# Altium PCB GD2.PcbDoc (part 1 of 2) (continued)
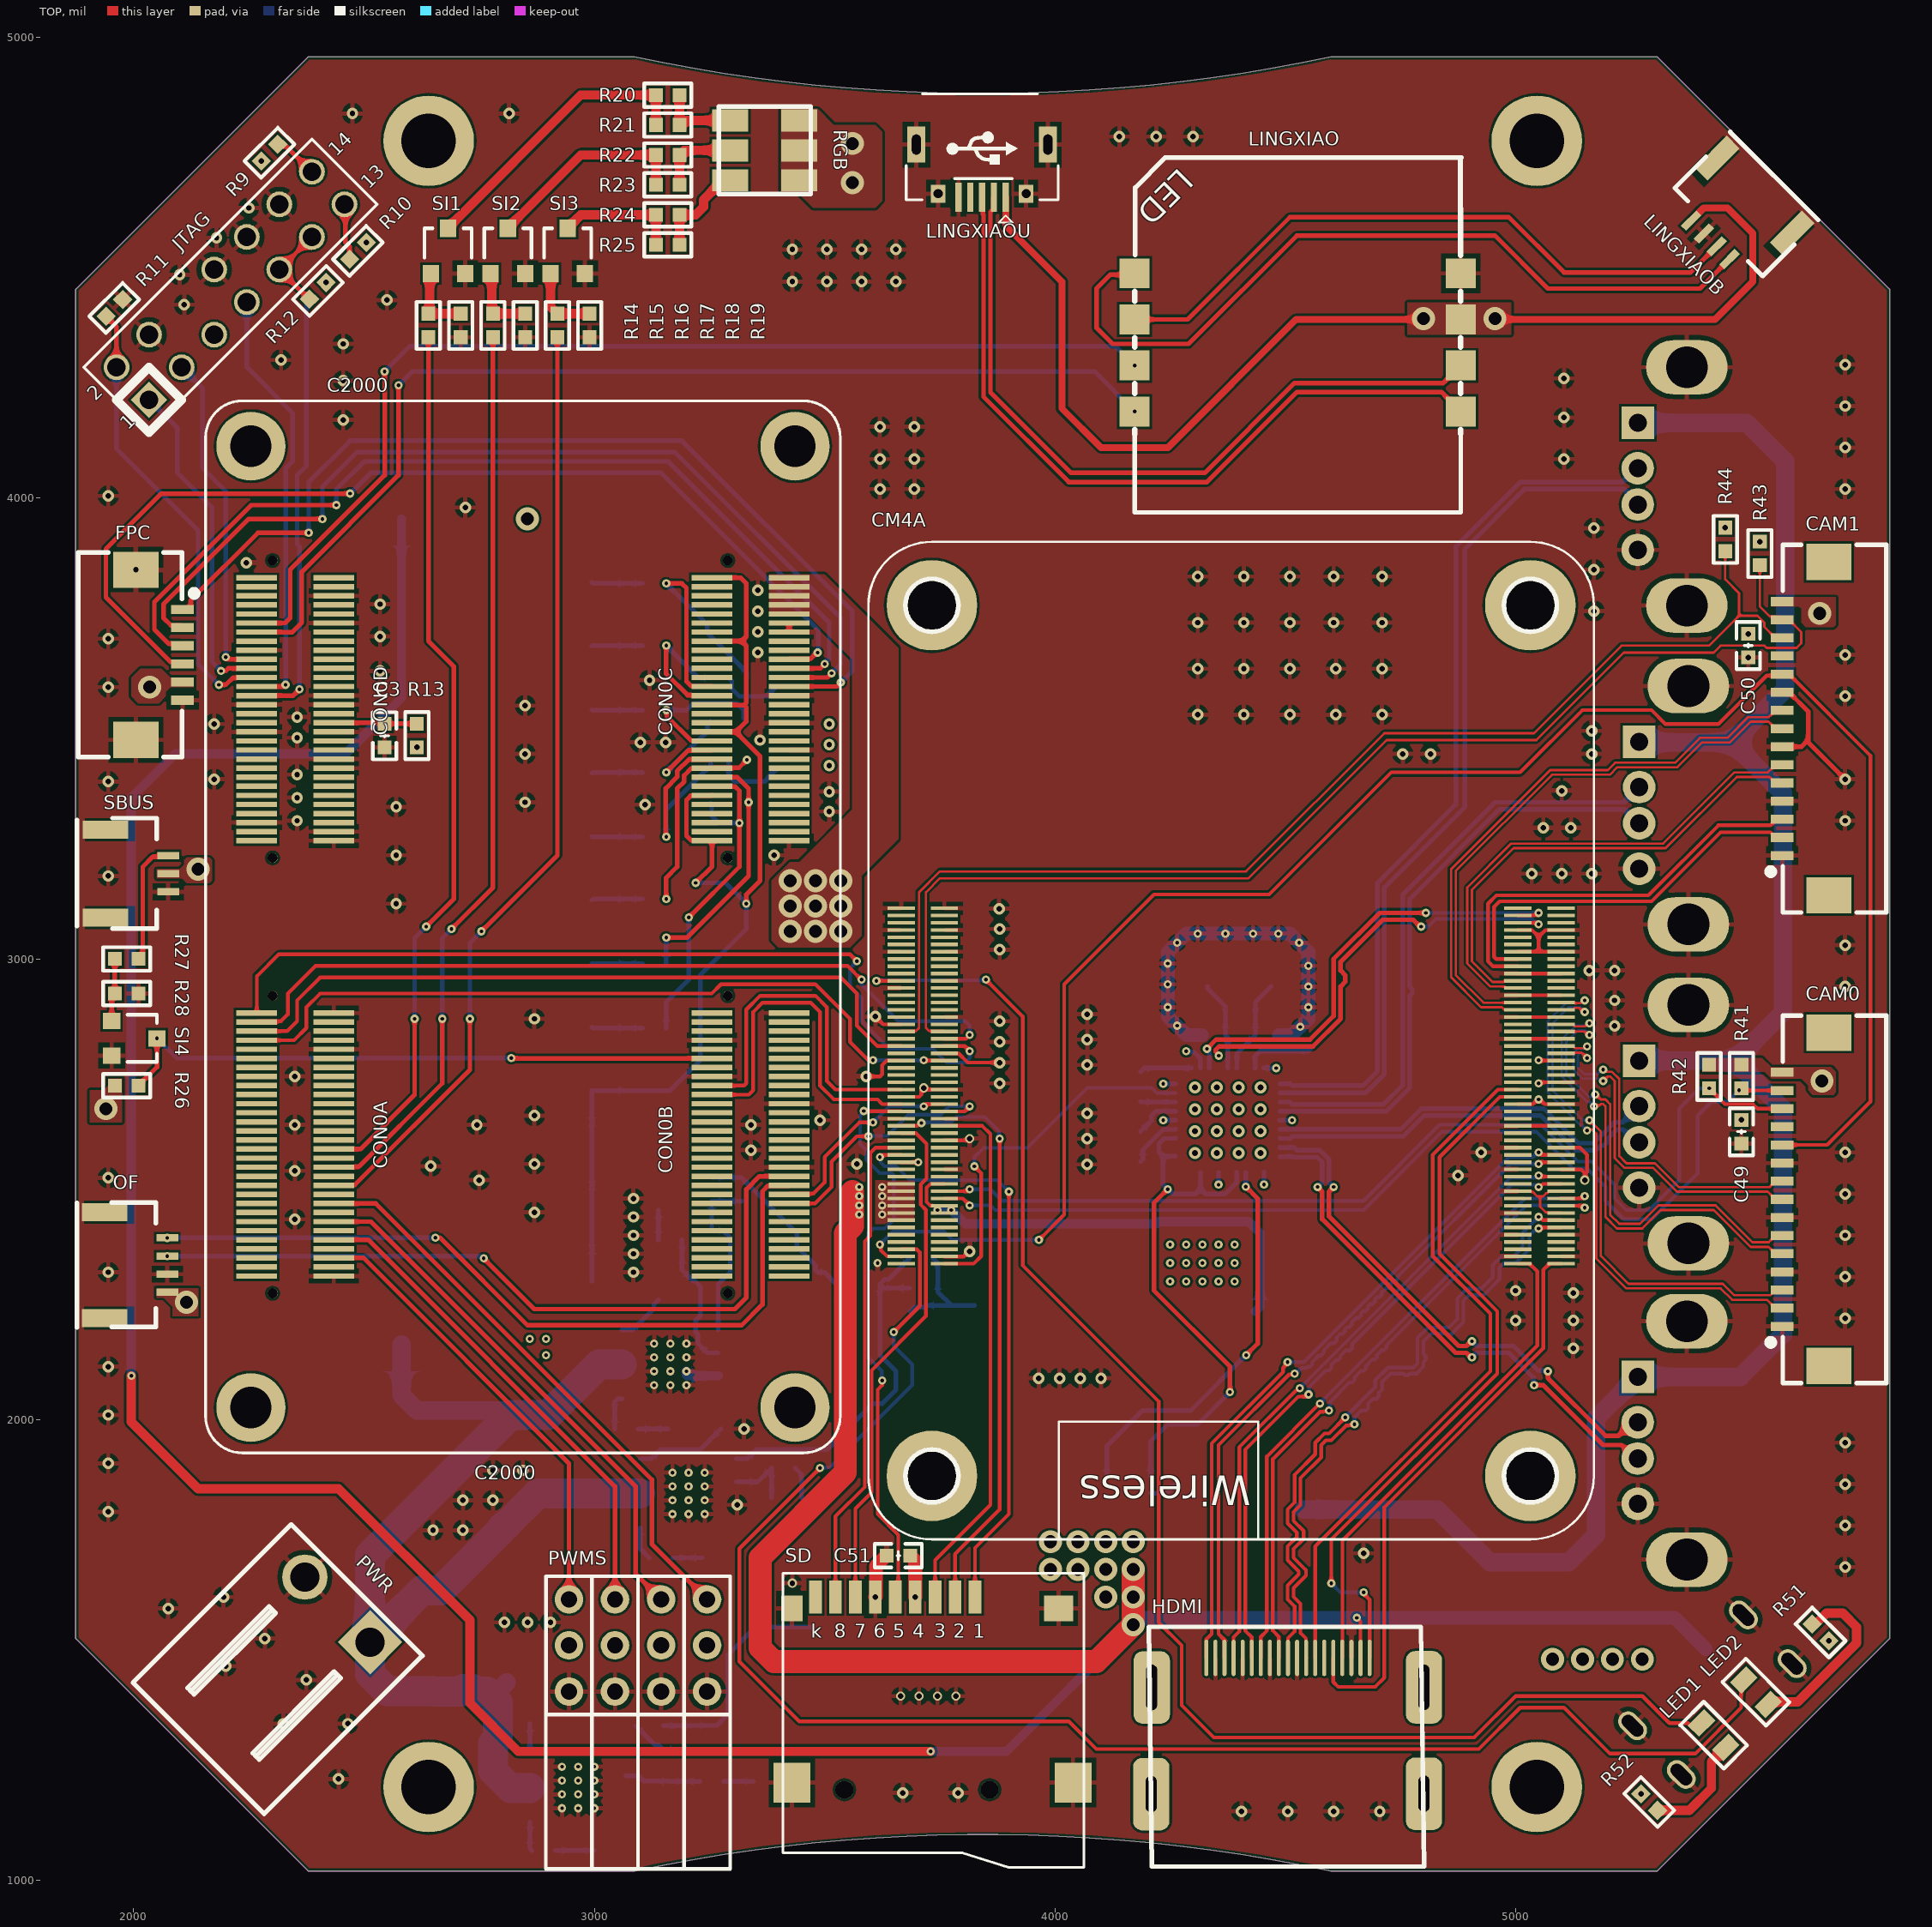
[diagram p0: TOP view]
## Components (designator, comment, footprint, x,y, rotation, side; value= is the part's Value field where it differs from the comment) (continued)
JTAG "JTAG" JTAG 2206.82,4459.65 r45 top locked
L1 "SRN6045TA-3R3Y" CD42 3465,2250 r0 bottom locked
L2 "SRN6045TA-3R3Y" CD42 3470,1485 r90 bottom locked
L3 "SRN6045TA-3R3Y" CD42 3825,2183.98 r90 bottom locked
LED1 "" R0805_L 5430,1315 r135 top locked
LED2 "" R0805_L 5521.45,1408.55 r315 top locked
LINGXIAO "LINGXIAO" LINGXIAO 4515,4345 r180 top locked
LINGXIAOB "GH4P" GH4P 5484.52,4630.48 r315 top locked
LINGXIAOU "USB" USB 3845,4755 r90 top locked
OF "GH4P" GH4P 1980,2330 r90 top locked
PSU1 "AP64501SP-13" SOIP-8 3164.61,2120 r0 bottom locked
PSU2 "AP64501SP-13" SOIP-8 2964.61,1201.69 r0 bottom locked
PSU3 "AP64501SP-13" SOIP-8 3204.41,1840 r0 bottom locked
PWMS "PWM4P" PWM4P 3095,1365 r0 top locked
PWR "HDR-1X2" KF2EDGK5.08-WI-2P 2442.5,1587.5 r135 top locked
R1 "100K" R0603_L 3130.59,3815 r180 bottom locked
R2 "100K" R0603_L 3130.59,3680 r180 bottom locked
R3 "100K" R0603_L 3130.59,3540 r180 bottom locked
R4 "100K" R0603_L 3130.59,3405 r180 bottom locked
R5 "100K" R0603_L 3130.59,3265 r180 bottom locked
R6 "100K" R0603_L 3130.59,3130 r180 bottom locked
R7 "100K" R0603_L 3130.59,2990 r180 bottom locked
R8 "100K" R0603_L 3130.59,2850 r180 bottom locked
R9 "4.7K" R0603_L 2295,4750 r45 top locked
R10 "4.7K" R0603_L 2486.9,4536.9 r225 top locked
R11 "2.2k" R0603_L 1958.1,4413.09 r225 top locked
R12 "2.2k" R0603_L 2400,4450 r225 top locked
R13 "4.7K" R0603_L 2615,3485 r270 top locked
R14 "1K" R0603_L 2640,4375 r270 top locked
R15 "10K" R0603_L 2710,4375 r90 top locked
R16 "1K" R0603_L 2780,4375 r270 top locked
R17 "10K" R0603_L 2850,4375 r90 top locked
R18 "1K" R0603_L 2920,4375 r270 top locked
R19 "10K" R0603_L 2990,4375 r90 top locked
R20 "50" R0603_L 3159.41,4875 r180 top locked
R21 "50" R0603_L 3159.41,4810 r180 top locked
R22 "50" R0603_L 3159.41,4745 r180 top locked
R23 "50" R0603_L 3159.41,4680 r180 top locked
R24 "50" R0603_L 3159.41,4550 r180 top locked
R25 "50" R0603_L 3159.41,4615 r180 top locked
R26 "10K" R0603_L 1984.87,2725 r180 top locked
R27 "1K" R0603_L 1984.88,3000 r0 top locked
R28 "10K" R0603_L 1984.88,2925 r0 top locked
R29 "20K1%" R0603_L 3165,2390 r0 bottom locked
R30 "12K1%" R0603_L 3255,2500 r90 bottom locked
R31 "2.2K1%" R0603_L 3255,2385 r90 bottom locked
R32 "10" R0603_L 3185,1980 r0 bottom locked
R33 "10" R0603_L 3025,1065 r0 bottom locked
R34 "20K1%" R0603_L 3255,1215 r180 bottom locked
R35 "12K1%" R0603_L 3150,1310 r90 bottom locked
R36 "2.2K1%" R0603_L 3065,1335 r0 bottom locked
R37 "10" R0603_L 3260,1700 r0 bottom locked
R38 "12K1%" R0603_L 3410.59,1895 r180 bottom locked
R39 "47K1%" R0603_L 3710,2350 r0 bottom locked
R40 "15K1%" R0603_L 3620,2320 r270 bottom locked
R41 "4.7K" R0603_L 5490,2745 r90 top locked
R42 "4.7K" R0603_L 5420,2745 r90 top locked
R43 "4.7K" R0603_L 5530,3880 r90 top locked
R44 "4.7K" R0603_L 5455,3910.59 r90 top locked
R45 "12K" R0603_L 4580.59,2804.42 r180 bottom locked
R46 "36K" R0603_L 4160,2690 r0 bottom locked
R47 "36K" R0603_L 4160,2755 r0 bottom locked
R48 "36K" R0603_L 4160,2560 r0 bottom locked
R49 "36K" R0603_L 4160,2625 r0 bottom locked
R50 "15K" R0603_L 4265,1890 r270 bottom locked
R51 "1K" R0603_L 5661.91,1538.1 r315 top locked
R52 "1K" R0603_L 5290,1170 r315 top locked
RGB "RGB" RGB 3370,4755 r0 top locked
SBUS "GH3P" GH3P 1975,3185 r270 top locked
SD "TF_Card" "Micro SD" 3700.63,1196.61 r0 top locked
SI1 "SI2310" SI2310 2685,4535 r0 top locked
SI2 "SI2310" SI2310 2815,4535 r0 top locked
SI3 "SI2310" SI2310 2945,4535 r0 top locked
SI4 "SI2310" SI2310 2000,2825 r270 top locked
TYPE-C "USB_TYPE-C_6Pin" USB-C-SMD_6P 5425,1405 r135 bottom locked
USB0 "USB" USB2.0_Type-A_DIP_F_1 5265,4025.63 r0 bottom locked
USB1 "USB" USB2.0_Type-A_DIP_F_1 5268.31,3333.66 r0 bottom locked
USB2 "USB" USB2.0_Type-A_DIP_F_1 5268.31,2641.34 r0 bottom locked
USB3 "USB" USB2.0_Type-A_DIP_F_1 5265,1955 r0 bottom locked
USBHUNB4 "USBHUB" QFN36 4371.02,2648.86 r180 bottom locked
XT1 "24MHZ" XTAL-5032-2P 4400,2940 r180 bottom locked

## Footprints (in the part's own frame and the unit in brackets; to place one, negate y for a bottom-side part, rotate by r counter-clockwise, add the part's x,y. Pads: shape width x height; smd on the part's side, far side on the other; paste and mask are expansions set on the pad)
28379D [mm]
  round 3.81 / inner round 1.524 / far side round 3.81 hole 2.286: " "(-28.671,-15.33) " "(-28.671,14.67) " "(24.329,-15.33) " "(24.329,14.67)
  round 0.549 / inner round 1.524 / far side round 0.549 hole 0.549: " "(-22.371,-11.63) " "(-22.371,13.47) " "(-5.971,13.47) " "(-5.971,-11.63) " "(1.629,13.47) " "(1.629,-11.63) " "(18.029,-11.63) " "(18.029,13.47)
  rect 0.3x2.25 smd: A1(-21.421,14.345) A2(-21.421,10.096) A3(-20.921,14.345) A4(-20.921,10.096) A5(-20.421,14.345) A6(-20.421,10.096) A7(-19.921,14.345) A8(-19.921,10.096) A9(-19.421,14.345) A10(-19.421,10.096) A11(-18.921,14.345) A12(-18.921,10.096) A13(-18.421,14.345) A14(-18.421,10.096) A15(-17.921,14.345) A16(-17.921,10.096) A17(-17.421,14.345) A18(-17.421,10.096) A19(-16.921,14.345) A20(-16.921,10.096) A21(-16.421,14.345) A22(-16.421,10.096) A23(-15.921,14.345) A24(-15.921,10.096) A25(-15.421,14.345) A26(-15.421,10.096) A27(-14.921,14.345) A28(-14.921,10.096) A29(-14.421,14.345) A30(-14.421,10.096) A31(-13.921,14.345) A32(-13.921,10.096) A33(-13.421,14.345) A34(-13.421,10.096) A35(-12.921,14.345) A36(-12.921,10.096) A37(-12.421,14.345) A38(-12.421,10.096) A39(-11.921,14.345) A40(-11.921,10.096) A41(-11.421,14.345) A42(-11.421,10.096) A43(-10.921,14.345) A44(-10.921,10.096) A45(-10.421,14.345) A46(-10.421,10.096) A47(-9.921,14.345) A48(-9.921,10.096) A49(-9.421,14.345) A50(-9.421,10.096) A51(-8.921,14.345) A52(-8.921,10.096) A53(-8.421,14.345) A54(-8.421,10.096) A55(-7.921,14.345) A56(-7.921,10.096) A57(-7.421,14.345) A58(-7.421,10.096) A59(-6.921,14.345) A60(-6.921,10.096) B1(-21.421,-10.755) B2(-21.421,-15.004) B3(-20.921,-10.755) B4(-20.921,-15.004) B5(-20.421,-10.755) B6(-20.421,-15.004) B7(-19.921,-10.755) B8(-19.921,-15.004) B9(-19.421,-10.755) B10(-19.421,-15.004) B11(-18.921,-10.755) B12(-18.921,-15.004) B13(-18.421,-10.755) B14(-18.421,-15.004) B15(-17.921,-10.755) B16(-17.921,-15.004) B17(-17.421,-10.755) B18(-17.421,-15.004) B19(-16.921,-10.755) B20(-16.921,-15.004) B21(-16.421,-10.755) B22(-16.421,-15.004) B23(-15.921,-10.755) B24(-15.921,-15.004) B25(-15.421,-10.755) B26(-15.421,-15.004) B27(-14.921,-10.755) B28(-14.921,-15.004) B29(-14.421,-10.755) B30(-14.421,-15.004) B31(-13.921,-10.755) B32(-13.921,-15.004) B33(-13.421,-10.755) B34(-13.421,-15.004) B35(-12.921,-10.755) B36(-12.921,-15.004) B37(-12.421,-10.755) B38(-12.421,-15.004) B39(-11.921,-10.755) B40(-11.921,-15.004) B41(-11.421,-10.755) B42(-11.421,-15.004) B43(-10.921,-10.755) B44(-10.921,-15.004) B45(-10.421,-10.755) B46(-10.421,-15.004) B47(-9.921,-10.755) B48(-9.921,-15.004) B49(-9.421,-10.755) B50(-9.421,-15.004) B51(-8.921,-10.755) B52(-8.921,-15.004) B53(-8.421,-10.755) B54(-8.421,-15.004) B55(-7.921,-10.755) B56(-7.921,-15.004) B57(-7.421,-10.755) B58(-7.421,-15.004) B59(-6.921,-10.755) B60(-6.921,-15.004) C1(17.079,-10.755) C2(17.079,-15.004) C3(16.579,-10.755) C4(16.579,-15.004) C5(16.079,-10.755) C6(16.079,-15.004) C7(15.579,-10.755) C8(15.579,-15.004) C9(15.079,-10.755) C10(15.079,-15.004) C11(14.579,-10.755) C12(14.579,-15.004) C13(14.079,-10.755) C14(14.079,-15.004) C15(13.579,-10.755) C16(13.579,-15.004) C17(13.079,-10.755) C18(13.079,-15.004) C19(12.579,-10.755) C20(12.579,-15.004) C21(12.079,-10.755) C22(12.079,-15.004) C23(11.579,-10.755) C24(11.579,-15.004) C25(11.079,-10.755) C26(11.079,-15.004) C27(10.579,-10.755) C28(10.579,-15.004) C29(10.079,-10.755) C30(10.079,-15.004) C31(9.579,-10.755) C32(9.579,-15.004) C33(9.079,-10.755) C34(9.079,-15.004) C35(8.579,-10.755) C36(8.579,-15.004) C37(8.079,-10.755) C38(8.079,-15.004) C39(7.579,-10.755) C40(7.579,-15.004) C41(7.079,-10.755) C42(7.079,-15.004) C43(6.579,-10.755) C44(6.579,-15.004) C45(6.079,-10.755) C46(6.079,-15.004) C47(5.579,-10.755) C48(5.579,-15.004) C49(5.079,-10.755) C50(5.079,-15.004) C51(4.579,-10.755) C52(4.579,-15.004) C53(4.079,-10.755) C54(4.079,-15.004) C55(3.579,-10.755) C56(3.579,-15.004) C57(3.079,-10.755) C58(3.079,-15.004) C59(2.579,-10.755) C60(2.579,-15.004) D1(17.079,14.345) D2(17.079,10.096) D3(16.579,14.345) D4(16.579,10.096) D5(16.079,14.345) D6(16.079,10.096) D7(15.579,14.345) D8(15.579,10.096) D9(15.079,14.345) D10(15.079,10.096) D11(14.579,14.345) D12(14.579,10.096) D13(14.079,14.345) D14(14.079,10.096) D15(13.579,14.345) D16(13.579,10.096) D17(13.079,14.345) D18(13.079,10.096) D19(12.579,14.345) D20(12.579,10.096) D21(12.079,14.345) D22(12.079,10.096) D23(11.579,14.345) D24(11.579,10.096) D25(11.079,14.345) D26(11.079,10.096) D27(10.579,14.345) D28(10.579,10.096) D29(10.079,14.345) D30(10.079,10.096) D31(9.579,14.345) D32(9.579,10.096) D33(9.079,14.345) D34(9.079,10.096) D35(8.579,14.345) D36(8.579,10.096) D37(8.079,14.345) D38(8.079,10.096) D39(7.579,14.345) D40(7.579,10.096) D41(7.079,14.345) D42(7.079,10.096) D43(6.579,14.345) D44(6.579,10.096) D45(6.079,14.345) D46(6.079,10.096) D47(5.579,14.345) D48(5.579,10.096) D49(5.079,14.345) D50(5.079,10.096) D51(4.579,14.345) D52(4.579,10.096) D53(4.079,14.345) D54(4.079,10.096) D55(3.579,14.345) D56(3.579,10.096) D57(3.079,14.345) D58(3.079,10.096) D59(2.579,14.345) D60(2.579,10.096)
  silkscreen extent -31.17,-17.83 26.83,17.17
ADCMOD [mm]
  rect 3x3 smd: 1(-7.303,-10.982) 2(-7.303,-14.482) 3(-7.303,-17.982) 4(-7.303,-21.482) 5(-7.303,-24.982) 6(-7.303,-28.482) 7(-7.303,-31.982) 8(-7.303,-35.482) 9(-7.303,-38.982) 10(-7.303,-42.482) 11(-7.303,-45.982) 12(-7.303,-49.482) 13(-3.803,-52.982) 14(3.197,-52.982) 15(-3.803,-7.482) 16(3.197,-7.482) 17(-0.303,-52.982) 18(-0.303,-7.482)
  silkscreen extent -7.3,-52.98 6.7,-7.48
C0603_L [mil] "贴片MLCC电容"
  rect 30x30 smd: 1(-25.59,0) 2(25.59,0)
  silkscreen extent -51,-26 51,26, body extent -31,-16 31,16, height 33
C_3216 [mm] "长3.2mm，宽1.6mm，厚1.6mm"
  rect 1.2x1.4 smd: 1(-1.7,0) 2(1.7,0)
  silkscreen extent -2.74,-1.02 2.67,1.02, body extent -1.6,-0.8 1.6,0.8, height 1.63
CD42 [mm] "4.5*4*2mm（长宽高）"
  rect 1.75x4.5 smd: 1(-1.625,0) 2(1.625,0)
  silkscreen extent -2.79,-2.54 2.79,2.54, body extent -2.21,-2 2.21,2, height 2.1
CM4 [mm]
  rect 0.2x1.5 smd: 1(6.86,18.637) 2(6.86,16.257) 3(6.46,18.637) 4(6.46,16.257) 5(6.06,18.637) 6(6.06,16.257) 7(5.66,18.637) 8(5.66,16.257) 9(5.26,18.637) 10(5.26,16.257) 11(4.86,18.637) 12(4.86,16.257) 13(4.46,18.637) 14(4.46,16.257) 15(4.06,18.637) 16(4.06,16.257) 17(3.66,18.637) 18(3.66,16.257) 19(3.26,18.637) 20(3.26,16.257) 21(2.86,18.637) 22(2.86,16.257) 23(2.46,18.637) 24(2.46,16.257) 25(2.06,18.637) 26(2.06,16.257) 27(1.66,18.637) 28(1.66,16.257) 29(1.26,18.637) 30(1.26,16.257) 31(0.86,18.637) 32(0.86,16.257) 33(0.46,18.637) 34(0.46,16.257) 35(0.06,18.637) 36(0.06,16.257) 37(-0.34,18.637) 38(-0.34,16.257) 39(-0.74,18.637) 40(-0.74,16.257) 41(-1.14,18.637) 42(-1.14,16.257) 43(-1.54,18.637) 44(-1.54,16.257) 45(-1.94,18.637) 46(-1.94,16.257) 47(-2.34,18.637) 48(-2.34,16.257) 49(-2.74,18.637) 50(-2.74,16.257) 51(-3.14,18.637) 52(-3.14,16.257) 53(-3.54,18.637) 54(-3.54,16.257) 55(-3.94,18.637) 56(-3.94,16.257) 57(-4.34,18.637) 58(-4.34,16.257) 59(-4.74,18.637) 60(-4.74,16.257) 61(-5.14,18.637) 62(-5.14,16.257) 63(-5.54,18.637) 64(-5.54,16.257) 65(-5.94,18.637) 66(-5.94,16.257) 67(-6.34,18.637) 68(-6.34,16.257) 69(-6.74,18.637) 70(-6.74,16.257) 71(-7.14,18.637) 72(-7.14,16.257) 73(-7.54,18.637) 74(-7.54,16.257) 75(-7.94,18.637) 76(-7.94,16.257) 77(-8.34,18.637) 78(-8.34,16.257) 79(-8.74,18.637) 80(-8.74,16.257) 81(-9.14,18.637) 82(-9.14,16.257) 83(-9.54,18.637) 84(-9.54,16.257) 85(-9.94,18.637) 86(-9.94,16.257) 87(-10.34,18.637) 88(-10.34,16.257) 89(-10.74,18.637) 90(-10.74,16.257) 91(-11.14,18.637) 92(-11.14,16.257) 93(-11.54,18.637) 94(-11.54,16.257) 95(-11.94,18.637) 96(-11.94,16.257) 97(-12.34,18.637) 98(-12.34,16.257) 99(-12.74,18.637) 100(-12.74,16.257) 101(6.86,-15.363) 102(6.86,-17.743) 103(6.46,-15.363) 104(6.46,-17.743) 105(6.06,-15.363) 106(6.06,-17.743) 107(5.66,-15.363) 108(5.66,-17.743) 109(5.26,-15.363) 110(5.26,-17.743) 111(4.86,-15.363) 112(4.86,-17.743) 113(4.46,-15.363) 114(4.46,-17.743) 115(4.06,-15.363) 116(4.06,-17.743) 117(3.66,-15.363) 118(3.66,-17.743) 119(3.26,-15.363) 120(3.26,-17.743) 121(2.86,-15.363) 122(2.86,-17.743) 123(2.46,-15.363) 124(2.46,-17.743) 125(2.06,-15.363) 126(2.06,-17.743) 127(1.66,-15.363) 128(1.66,-17.743) 129(1.26,-15.363) 130(1.26,-17.743) 131(0.86,-15.363) 132(0.86,-17.743) 133(0.46,-15.363) 134(0.46,-17.743) 135(0.06,-15.363) 136(0.06,-17.743) 137(-0.34,-15.363) 138(-0.34,-17.743) 139(-0.74,-15.363) 140(-0.74,-17.743) 141(-1.14,-15.363) 142(-1.14,-17.743) 143(-1.54,-15.363) 144(-1.54,-17.743) 145(-1.94,-15.363) 146(-1.94,-17.743) 147(-2.34,-15.363) 148(-2.34,-17.743) 149(-2.74,-15.363) 150(-2.74,-17.743) 151(-3.14,-15.363) 152(-3.14,-17.743) 153(-3.54,-15.363) 154(-3.54,-17.743) 155(-3.94,-15.363) 156(-3.94,-17.743) 157(-4.34,-15.363) 158(-4.34,-17.743) 159(-4.74,-15.363) 160(-4.74,-17.743) 161(-5.14,-15.363) 162(-5.14,-17.743) 163(-5.54,-15.363) 164(-5.54,-17.743) 165(-5.94,-15.363) 166(-5.94,-17.743) 167(-6.34,-15.363) 168(-6.34,-17.743) 169(-6.74,-15.363) 170(-6.74,-17.743) 171(-7.14,-15.363) 172(-7.14,-17.743) 173(-7.54,-15.363) 174(-7.54,-17.743) 175(-7.94,-15.363) 176(-7.94,-17.743) 177(-8.34,-15.363) 178(-8.34,-17.743) 179(-8.74,-15.363) 180(-8.74,-17.743) 181(-9.14,-15.363) 182(-9.14,-17.743) 183(-9.54,-15.363) 184(-9.54,-17.743) 185(-9.94,-15.363) 186(-9.94,-17.743) 187(-10.34,-15.363) 188(-10.34,-17.743) 189(-10.74,-15.363) 190(-10.74,-17.743) 191(-11.14,-15.363) 192(-11.14,-17.743) 193(-11.54,-15.363) 194(-11.54,-17.743) 195(-11.94,-15.363) 196(-11.94,-17.743) 197(-12.34,-15.363) 198(-12.34,-17.743) 199(-12.74,-15.363) 200(-12.74,-17.743)
  silkscreen extent -27.94,-19.55 27.06,20.45
FPC1.0-WT-6P [mm] "卧贴翻盖FPC，脚距1mm，不含脚（长10.9mm，宽5.2mm，高1.96mm）"
  rect 2x2.5 smd: 0(-4.69,0) 0(4.69,0)
  rect 0.5x1.25 smd: 1(-2.5,2.575) 2(-1.5,2.575) 3(-0.5,2.575) 4(0.5,2.575) 5(1.5,2.575) 6(2.5,2.575)
  silkscreen extent -5.64,-3.18 5.64,3.31, body extent -5.45,-3.15 5.45,2.85, height 2
FPC1.0-WT-15P [mm] "卧贴翻盖FPC，脚距1mm，不含脚（长19.9mm，宽5.2mm，高1.96mm）"
  rect 2x2.5 smd: 0(-9.19,0) 0(9.19,0)
  rect 0.5x1.25 smd: 1(-7,2.575) 2(-6,2.575) 3(-5,2.575) 4(-4,2.575) 5(-3,2.575) 6(-2,2.575) 7(-1,2.575) 8(0,2.575) 9(1,2.575) 10(2,2.575) 11(3,2.575) 12(4,2.575) 13(5,2.575) 14(6,2.575) 15(7,2.575)
  silkscreen extent -10.14,-3.18 10.14,3.31, body extent -9.95,-3.15 9.95,2.85, height 2
GH3P [mm]
  rect 1x2.5 smd: 0(-2.422,-0.917) 0(2.421,-0.917)
  rect 0.4x1.2 smd: 1(1,2.54) 2(0,2.54) 3(-1,2.54)
  silkscreen extent -3.06,-2.49 3.03,1.91
GH4P [mm]
  rect 0.4x1.2 smd: 1(-1.362,-2.365) 2(-0.362,-2.365) 3(0.638,-2.365) 4(1.638,-2.365)
  rect 1x2.5 smd: 5(-2.783,1.092) 5(3.059,1.092)
  silkscreen extent -3.29,-1.73 3.59,2.62, body extent -2.85,-2.54 3.15,2.42, height 3.14
HDMI_A [mm]
  rrect50% 4x2 hole 0.6 slot 2.5 at 0 deg: 0(-2.135,7.52) 0(-2.125,-7.49)
  rrect50% 4x2 hole 0.6 slot 2 at 0 deg: 0(3.735,7.52) 0(3.755,-7.52)
  oval 2x0.22 smd: 1(-3.755,-4.48) 2(-3.755,-3.98) 3(-3.755,-3.48) 4(-3.755,-2.98) 5(-3.755,-2.48) 6(-3.755,-1.98) 7(-3.755,-1.48) 8(-3.755,-0.98) 9(-3.755,-0.48) 10(-3.755,0.02) 11(-3.755,0.52) 12(-3.755,1.02) 13(-3.755,1.52) 14(-3.755,2.02) 15(-3.755,2.52) 16(-3.755,3.02) 17(-3.755,3.52) 18(-3.755,4.02) 19(-3.755,4.52)
  silkscreen extent -5.47,-7.65 7.74,7.52
IN5819 [mil]
  rect 50x60 smd: 1(2.28,-51) 2(2.28,49)
  silkscreen extent -35,-95 40,-90
JTAG [mil]
  rect 56x56 hole 40: 1(-296.5,-51.5)
  round 56 hole 40: 2(-296.5,48.5) 3(-196.5,-51.5) 4(-196.5,48.5) 5(-96.5,-51.5) 7(3.5,-51.5) 8(3.5,48.5) 9(103.5,-51.5) 10(103.5,48.5) 11(203.5,-51.5) 12(203.5,48.5) 13(303.5,-51.5) 14(303.5,48.5)
  silkscreen extent -347,-102 354,99
KF2EDGK5.08-WI-2P [mm] "卧插端子"
  rect 2.5x2.5 hole 1.6: 1(-2.54,0)
  round 2.5 hole 1.6: 2(2.54,0)
  silkscreen extent -5.11,-1.52 5.13,10.82, body extent -5.08,-0.5 5.08,10.8, height 8.55
LINGXIAO [mil]
  rect 65x65 smd: 1(-365.87,-143.13) 2(-365.87,-43.13) 3(-365.87,56.87) 4(-365.87,156.87) 5(342.13,156.87) 6(342.13,56.87) 7(342.13,-43.13) 8(342.13,-143.13)
  silkscreen extent -367,-394 342,376
"Micro SD" [mm] "淘宝ID:黄晶宝石"
  round 1 hole 1 unplated: 0(-4,0) 0(4,0)
  rect 0.7x1.8 smd: 1(3.2,10.627) 2(2.1,10.627) 3(1,10.627) 4(-0.1,10.627) 5(-1.2,10.627) 6(-2.3,10.627) 7(-3.4,10.627) 8(-4.5,10.627) 9(-5.6,10.627)
  rect 2.032x2.2 smd: 10(-6.9,0.4) 10(8.6,0.4)
  rect 1.2x1.4 smd: 10(-6.9,10)
  rect 1.6x1.4 smd: 10(7.8,10)
  silkscreen extent -7.4,-4.28 9.2,11.94, body extent -7.05,-3.87 8.95,11.38, height 2
PWM4P [mil]
  round 62 hole 35: 1(150,245) 2(150,145) 3(150,45) 4(50,245) 5(50,145) 6(50,45) 7(-50,245) 8(-50,145) 9(-50,45) 10(-150,245) 11(-150,145) 12(-150,45)
  silkscreen extent -200,-340 200,295, body extent -201,-4 193,296, height 336
QFN36 [mm]
  oval 1.05x0.3 smd: 1(-2.976,2.029) 2(-2.976,1.529) 3(-2.976,1.029) 4(-2.976,0.529) 5(-2.976,0.029) 6(-2.976,-0.471) 7(-2.976,-0.971) 8(-2.976,-1.471) 9(-2.976,-1.971) 19(2.774,-1.971) 20(2.774,-1.471) 21(2.774,-0.971) 22(2.774,-0.471) 23(2.774,0.029) 24(2.774,0.529) 25(2.774,1.029) 26(2.774,1.529) 27(2.774,2.029)
  oval 0.3x1.05 smd: 10(-2.101,-2.846) 11(-1.601,-2.846) 12(-1.101,-2.846) 13(-0.601,-2.846) 14(-0.101,-2.846) 15(0.399,-2.846) 16(0.899,-2.846) 17(1.399,-2.846) 18(1.899,-2.846) 28(1.899,2.904) 29(1.399,2.904) 30(0.899,2.904) 31(0.399,2.904) 32(-0.101,2.904) 33(-0.601,2.904) 34(-1.101,2.904) 35(-1.601,2.904) 36(-2.101,2.904)
  rect 4.3x4.3 smd: 37(-0.101,0.029)
  silkscreen extent -4.18,-3.07 3,3.13, body extent -3.18,-3.05 2.97,3.1, height 0.8
R0603_L [mil] "1/10W贴片电阻"
  rect 30x30 smd: 1(-25.59,0) 2(25.59,0)
  silkscreen extent -51,-26 51,26, body extent -31,-16 31,16, height 16
R0805_L [mil] "1/8W贴片电阻"
  rect 35x50 smd: 1(-37.4,0) 2(37.4,0)
  silkscreen extent -67,-36 67,36, body extent -39,-25 39,25, height 20
RGB [mm]
  rect 2x1.224 smd: 1(-1.905,1.651) 2(1.905,1.651) 3(-1.905,0) 4(1.905,0) 5(-1.905,-1.651) 6(1.905,-1.651)
  silkscreen extent -2.54,-2.41 2.54,2.41
SI2310 [mm]
  rect 0.9x0.95 smd: 1(-1.016,-1.209) 2(0.884,-1.209) 3(-0.066,1.291)
  silkscreen extent -1.37,-0.33 1.23,1.29, body extent -1.49,-1.35 1.41,1.45, height 1.3
SOIP-8 [mm]
  oval 1.8x0.61 smd: 1(-2.65,1.905) 2(-2.65,0.635) 3(-2.65,-0.635) 4(-2.65,-1.905) 5(2.65,-1.905) 6(2.65,-0.635) 7(2.65,0.635) 8(2.65,1.905)
  rect 2.413x3.048 smd paste-2: 9(0,0)
  rect 0.9x0.7 on Bottom Paste: 10(-0.625,-1.1) 10(-0.625,0) 10(-0.625,1.1) 11(0.65,-1.1) 11(0.65,0) 11(0.65,1.1)
  silkscreen extent -2.69,-2.5 1.52,3.2, body extent -3,-2.5 3,2.5, height 1.53
SOT23-6 [mm] "SOT-23, 6-Leads, Body 2.90x1.60mm, Pitch 0.95mm, IPC High Density"
  rect 0.9x0.6 smd: 1(-1.2,0.95) 2(-1.2,0) 3(-1.2,-0.95) 4(1.2,-0.95) 5(1.2,0) 6(1.2,0.95)
  silkscreen extent -1.32,-1.55 0.35,1.92, body extent -1.4,-1.5 1.4,1.5, height 1.15
TSOP-6 [mm]
  rect 0.6x1.2 smd: 1(-1.05,-1.2) 2(-0.05,-1.2) 3(0.95,-1.2) 4(0.95,1.2) 5(-0.05,1.2) 6(-1.05,1.2)
  silkscreen extent -1.55,-2.23 1.45,0.9
USB [mm]
  rect 1.6x0.35 smd: 1(-2.579,-1.22) 2(-2.579,-0.57) 3(-2.579,0.08) 4(-2.579,0.73) 5(-2.579,1.38)
  rect 1x0.8 hole 0.5: 5(-2.389,-2.345) 5(-2.389,2.505)
  rect 2x1 hole 0.5 slot 1.1 at 0 deg: 5(0.321,3.705) 5(0.321,-3.545)
  silkscreen extent -3.98,-4.11 3.12,4.27, body extent -2.57,-3.92 3.03,4.08, height 2.8
USB2.0_Type-A_DIP_F_1 [mm] "USB2.0_Type-A直插母座"
  rect 1.8x1.8 hole 1: 1(0,-3.5)
  round 1.8 hole 1: 2(0,-1) 3(0,1) 4(0,3.5)
  oval 4.5x3 hole 2.3: 4(2.71,-6.57) 4(2.71,6.57)
  silkscreen extent -1.47,-7.25 13.75,7.25, body extent -0.6,-7.34 13.7,7.34, height 6.8
USB-C-SMD_6P [mil] "封装库来自淘宝ID:黄晶宝石"
  oval 70.82x43.31 hole 27.56 slot 55.16 at 0 deg: 0(-77.76,-170.08) 0(-77.76,170.08) 0(71.85,-170.08) 0(71.85,170.08)
  rect 59x27.6 smd: A5(77.76,19.7) B5(77.76,-19.7)
  rect 59x29.9 smd: A9(77.76,-59.85) B9(77.76,59.85)
  rect 59x31.5 smd: A12(77.76,-108.25) B12(77.76,108.25)
  silkscreen extent -180,-174 22,174, body extent -172,-176 95,176, height 127
XTAL-5032-2P [mm] "5mm*3.2mm*0.8mm(长*宽*高)"
  rect 2.2x2.4 smd: 1(-1.75,0) 2(1.75,0)
  silkscreen extent -2.5,-1.6 2.5,1.6, body extent -2.5,-1.6 2.5,1.6, height 0.86

## Part data
C1 C2 C3 C4 C5 C6 C7 C8 C9 C10 C11 C12 C13 C14 C15 C16 C17 C18 C19 C20 C21 C22 C23 C24 C25 C26 C27 C28 C29 C30 C31 C32 C33 C34 C35 C36 C37 C38 C39 C40 C41 C42 C43 C44 C45 C46 C47 C48 C49 C50 C51 C52 C53 C54 C55 C56 C57 C58: library part C, "贴片电容/MLCC电容"
CAM0 CAM1: library part "Header 15", "15P连接器"
CT1 CT2 CT3 CT4: library part CT, "贴片钽电容"
D1 D2 D3: library part IN5819
FPC: library part "Header 6", "6P连接器"
LED1 LED2 R1 R2 R3 R4 R5 R6 R7 R8 R9 R10 R11 R12 R13 R14 R15 R16 R17 R18 R19 R20 R21 R22 R23 R24 R25 R26 R27 R28 R29 R30 R31 R32 R33 R34 R35 R36 R37 R38 R39 R40 R41 R42 R43 R44 R45 R46 R47 R48 R49 R50 R51 R52: library part R, "贴片电阻"
PWR: library part "Header 2", "2P接插件", BOM名称=2P接插件, 联系卖家，免费技术支持=唯一出售店铺网址https://shop463601444.taobao.c
SD: "TF卡座"
TYPE-C: "USB_TYPE-C_6Pin母座"
USB0 USB1 USB2 USB3: library part USB2.0_Type-A_F, "USB2.0_Type-A母座"
XT1: library part XTAL-2P, "2脚无源晶振(谐振器）"

## Free pads (board coordinates)
  round 196.85 hole 118.11: 1(2640.43,1202.54) 1(2640.43,4775.77) 1(3732.8,3767.56) 1(3732.8,1877.8) 1(5032.01,1877.8) 1(5032.01,3767.56) 1(5045.94,1202.54) 1(5045.94,4775.77)

## Via types
v1: diameter 25, hole 12, TOP to BOT, 218 vias
v2: diameter 18, hole 8, TOP to BOT, 208 vias
v3: diameter 50, hole 28, TOP to BOT, 35 vias
v4: diameter 25.98, hole 12.99, TOP to BOT, 16 vias
v5: diameter 20, hole 12, TOP to BOT, 8 vias

## Nets (pads, with @x,y where several pads share a name; then routed paths per layer and width w, separated by ;. In a path a pad name is that pad's centre, name@x,y a point inside that pad or via, vN(x,y) a via of type N, cw(c..) or ccw(c..) an arc to the next point about the centre after c; other vN are vias at no path point)
A3.3V: ADC.13 C1.2 C2.2 C44.2 C45.2 C46.2 C47.2 C48.2 C49.1 C50.1 C51.2 CAM0.15 CAM1.15 CT3.1 D3.1 ESD1.5 ESD2.5 JTAG.5 L3.2 R9.1 R10.1 R12.1 R13.2 R39.2 R41.2 R42.2 R43.2 R44.2 R51.2 R52.1 SD.4 USBHUNB4.5 USBHUNB4.10 USBHUNB4.15 USBHUNB4.23 USBHUNB4.27 USBHUNB4.29 USBHUNB4.36 | length 870
  TOP w30: C51.2@3685.59,1705 3696.69,1693.89 v1(3696.69,1615)
  BOT w10: ESD1.5@3291.97,3432.24 3291.97,3398.03 3305,3385 3369.41,3385 C1.2@3395,3410.59 ; ESD2.5@3291.97,3610 3298.78,3603.19 3298.78,3586.22 3315,3570 3374.41,3570 C2.2@3395,3590.59 ; C44.2@3685,2234.41 3695,2244.41 3716.44,2244.41 3719.98,2247.95 L3.2@3775.04,2247.95 ; R39.2@3735.59,2350 3745.59,2340 3745.59,2277.4 L3.2@3775.04,2247.95 ; L3.2@3825,2247.95 L3.2@3775.04,2247.95 ; v2(4235.16,2650.16) 4235.31,2650 USBHUNB4.23@4261.81,2650 USBHUNB4.23@4261.97,2649.84 ; v2(4235.16,2728.9) 4235.31,2728.74 USBHUNB4.27@4261.81,2728.74 USBHUNB4.27@4261.97,2728.58 ; v2(4285,2800) 4286.53,2798.47 4301.53,2798.47 4315.6,2784.4 4315.6,2763.54 USBHUNB4.29@4315.94,2763.19 ; v2(4355,2510) 4355.16,2510.16 4355.16,2536.65 USBHUNB4.15@4355.31,2536.81 ; v2(4453.58,2510.16) 4453.74,2510.32 USBHUNB4.10@4453.74,2536.81 USBHUNB4.10@4453.9,2536.97 ; USBHUNB4.36@4453.58,2763.35 USBHUNB4.36@4453.74,2763.19 4480.24,2763.19 v2(4480.39,2763.03) ; USBHUNB4.5@4488.03,2650.16 USBHUNB4.5@4488.19,2650 4514.69,2650 v2(4514.84,2649.84)
  other v1: 5271.9,1188.1 5680,1520 5490,2650.59 3510,3420 2615,3459.41 3510,3465 3510,3510 5505,3705.59 5530,3905.59 5455,3936.18 2418.1,4468.1 2505,4555 2276.9,4731.9
  other v2: 2895,2140 2860,2175 2895,2175 4250,2300 4285,2300 4320,2300 4355,2300 4390,2300 4250,2340 4285,2340 4320,2340 4355,2340 4390,2340 4250,2380 4285,2380 4320,2380 4355,2380 4390,2380
  other v3: 5665,2735 5660,3750
A5: C14.2 C15.2 C16.2 C17.2 C18.2 CT1.1 D1.2 L1.2 R30.2 | length 440.9
  BOT w10: R30.2@3255,2525.59 3319.41,2525.59 C14.2@3319.59,2525.41 3440,2405 3440,2375 3480,2335 3480,2325 3485,2320 3499.53,2320 3528.98,2290.55 L1.2@3528.98,2250 L1.2@3525,2253.98
A5V: ADC.15 C2000.C2 C2000.C4 C2000.C6 C2000.C8 C2000.C10 D1.1 FPC.5 LINGXIAO.2 LINGXIAOB.1 LINGXIAOU.1 OF.1 R26.2 RGB.2 RGB.4 RGB.6 SBUS.2 TYPE-C.A9 | length 2313.2
  TOP w15: LINGXIAOU.1@3893.04,4653.47 3893.04,4591.96 4015,4470 4015,4195 4100,4110 4245,4110 4523.13,4388.13 4798.13,4388.13 v3(4800,4390) ; v3(4955,4390) 4956.87,4388.13 5433.13,4388.13 5515,4470 5515,4575 5460,4630 5408.22,4630 LINGXIAOB.1@5380.77,4602.56
  other v3: 5080,1480 5145,1480 5210,1480 5275,1480 2115,2255 1940,2675 3425,3060 3480,3060 3535,3060 3425,3115 3480,3115 3535,3115 3425,3170 3480,3170 3535,3170 2140,3195 2035,3590 2855,3955 3560,4685 3560,4770
ADCA0: C2000.C45 ESD1.1 R7.1 | length 570
  TOP w10: v2(3156.18,3046.18) 3201.18,3046.18 3335,3180 3335,3370 3310.58,3394.42 C2000.C45@3255.57,3394.42
  BOT w10: R7.1@3156.18,2990 v2(3156.18,3046.18)
  other v2: 3335,3340
ADCA1: C2000.C47 ESD1.3 R8.1 | length 739.2
  TOP w10: v2(3205,3090) 3315,3200 v2(3315,3295) 3315,3365 3306.17,3373.83 3256.47,3373.83 C2000.C47@3255.57,3374.73
  BOT w10: R8.1@3156.18,2850 3156.18,2906.18 3205,2955 v2(3205,3090) ; ESD1.3@3252.6,3337.76 3255,3335.35 3255,3310 3270,3295 v2(3315,3295)
ADCA2: C2000.C41 ESD1.4 R5.1 | length 447
  TOP w10: v2(3156.18,3265) 3155,3266.18 3155,3370 3180,3395 3180,3407.61 3205.28,3432.89 3254.67,3432.89 C2000.C41@3255.57,3433.79
  BOT w10: v2(3156.18,3265) 3156.18,3324.02 3252.6,3420.43 ESD1.4@3252.6,3432.24
ADCA3: C2000.C43 ESD1.6 R6.1 | length 434.7
  TOP w10: v2(3156.18,3130) 3156.18,3176.18 3180,3200 3180,3370 3195,3385 3195,3398.18 3210.02,3413.2 3254.67,3413.2 C2000.C43@3255.57,3414.1 3256.47,3415 3314.1,3415 v2(3331.34,3432.24)
ADCA4: C2000.C37 ESD2.1 R3.1 | length 342.5
  TOP w10: v2(3156.18,3540) 3157.71,3538.47 3157.71,3526.36 3210.02,3474.06 3254.67,3474.06 C2000.C37@3255.57,3473.16
  BOT w10: v2(3156.18,3540) 3200,3540 3215,3555 3310,3555 3324.53,3540.47 3324.53,3522.32 ESD2.1@3331.34,3515.51
ADCA5: C2000.C39 ESD2.3 R4.1 | length 269.9
  TOP w10: v2(3156.18,3405) 3203.75,3452.57 3254.67,3452.57 C2000.C39@3255.57,3453.47
  BOT w10: v2(3156.18,3405) 3245.79,3494.61 3245.79,3508.7 ESD2.3@3252.6,3515.51
ADCB0: C2000.C27 ESD2.4 R2.1 | length 305.5
  TOP w10: v2(3156.18,3680) 3156.18,3618.82 3202.52,3572.48 3254.67,3572.48 C2000.C27@3255.57,3571.58
  BOT w10: v2(3156.18,3680) 3226.18,3610 ESD2.4@3252.6,3610
ADCB1: C2000.C25 ESD2.6 R1.1 | length 588.4
  TOP w10: v2(3156.18,3815) 3190,3815 3200,3805 3200,3602.19 3210.02,3592.17 3254.67,3592.17 C2000.C25@3255.57,3591.27
  BOT w10: v2(3156.18,3815) 3245.35,3725.83 3245.35,3707.8 3331.34,3621.81 ESD2.6@3331.34,3610
AGND: ADC.9 ADC.10 ADC.11 ADC.12 C2000.C1 C2000.C15 C2000.C29 C2000.C35 C2000.C49 C2000.C59 | length 2505.9
  TOP w10: v2(3220,3165) 3255.57,3200.57 C2000.C59@3255.57,3256.62 3254.67,3257.52 3210.02,3257.52 3200,3267.54 3200,3345 3209.15,3354.15 3254.67,3354.15 C2000.C49@3255.57,3355.05 ; C2000.C35@3255.57,3492.84 3307.16,3492.84 ; C2000.C29@3255.57,3551.9 3256.47,3551 3325.14,3551 ; C2000.C15@3255.57,3689.69 3319.69,3689.69 ; C2000.C1@3255.57,3827.49 3317.51,3827.49 3330,3815 3330,3700 3319.69,3689.69 ; v2(3330,3120) 3330,3140 3360,3170 3360,3440 3307.16,3492.84 ; 3307.16,3492.84 3330,3515.68 3330,3546.14 3325.14,3551 ; 3319.69,3689.69 3330,3679.39 3330,3555.86 3325.14,3551
  BOT w10: ADC.12@2995,2301.02 ADC.11@2995,2438.82 ADC.10@2995,2576.61 ADC.9@2995,2714.41 3164.41,2714.41 3230,2780 3230,2965 3330,3065 v2(3330,3120) 3285,3165 v2(3220,3165)
B5: C29.2 C30.2 C31.2 C32.2 C33.2 CT2.1 D2.2 L2.2 R35.2 | length 485.4
  BOT w10: R35.2@3150,1335.59 3214.41,1335.59 C29.2@3215,1336.18 3266.18,1336.18 3290,1360 3290,1490 3350,1550 3468.98,1550 L2.2@3470,1548.98
B5V: ADC.16 AN.1 C54.2 CM4A.77 CM4A.79 CM4A.81 CM4A.83 CM4A.85 CM4A.87 D2.1 HDMI.18 TYPE-C.B9 | length 8525.4
  TOP w8: v2(4655,1570) 4663.27,1561.73 HDMI.18@4663.27,1482.83
  TOP w20: v2(1995,2095) 1995,1995 2140,1850 2445,1850 2730,1565 2730,1385 2835,1280 v2(3730,1280)
  TOP w50: 3560,2495 3560,2420 3545,2405 3545,1885 3360,1700 3360,1505 3390,1475 4090,1475 v3(4170,1555) v3(4170,1615) v3(4170,1675)
  BOT w20: v2(1995,2095) 1995,3350 2090,3445 2460,3445 2581.61,3566.61 ADC.16@2581.61,3954.57 ; v2(3730,1280) 3895,1280 v3(4170,1555)
  BOT w30: v3(4170,1555) 4185,1570 v2(4655,1570) 5344.65,1570 TYPE-C.B9@5412.34,1502.31
  other v2: 3575,2445 3625,2445 3575,2465 3625,2465 3575,2485 3625,2485 3575,2505 3625,2505
  other v3: 4110,1615 3990,1675 4050,1675 4110,1675 3990,1735 4050,1735 4110,1735 4170,1735
CAM0_CLK_N: CAM0.8 CM4A.140 | length 799.1
  TOP w5: CM4A.140@5098.54,2810.87 5099.98,2809.43 5125.57,2809.43 5128.44,2806.55 v2@5148.04,2806.55 ; v2(5190,2735) 5200,2745 5205.12,2745 5215,2735.12 5215,2567.95 5236.48,2546.48 5298.52,2546.48 5350,2495 5547.05,2495 5563.86,2478.19 CAM0.8@5578.62,2478.19
  BOT w5: v2(5155,2810) 5151.48,2810 5146.48,2805 5135,2805 5125,2795 5125,2760 5145,2740 5181.48,2740 5186.48,2735 v2(5190,2735)
CAM0_CLK_P: CAM0.9 CM4A.142 | length 776.8
  TOP w5: CM4A.142@5098.54,2795.12 5099.98,2796.55 5143.22,2796.55 5154.78,2785 v2(5155,2785) ; v2(5190,2760) 5193.52,2760 5198.52,2755 5209.26,2755 5225,2739.26 5225,2572.09 5240.62,2556.48 5302.67,2556.48 5354.14,2505 5551.3,2505 5563.86,2517.56 CAM0.9@5578.62,2517.56
  BOT w5: v2(5155,2785) 5145,2795 5139.14,2795 5135,2790.86 5135,2764.14 5149.14,2750 5176.67,2750 5186.67,2760 v2(5190,2760)
CAM0_D0_N: CAM0.2 CM4A.128 | length 1171.4
  TOP w5: CM4A.128@5098.54,2905.35 5099.98,2903.92 5140.4,2903.92 5146.48,2910 v2(5150,2910) ; v2(5155,2627.55) 5157.45,2630 5165.86,2630 5175,2620.86 5175,2350 5240,2285 5445,2285 5470,2260 5545.83,2260 5563.86,2241.97 CAM0.2@5578.62,2241.97
  BOT w5: v2(5150,2910) 5146.48,2910 5141.48,2905 5110.86,2905 5105.86,2900 5105,2900 5070,2865 5070,2710 5140,2640 5142.55,2640 v2(5155,2627.55)
CAM0_D0_P: CAM0.3 CM4A.130 | length 1136.4
  TOP w5: CM4A.130@5098.54,2889.61 5124.13,2889.61 5128.44,2893.92 5137.57,2893.92 5146.48,2885 v2(5150,2885) ; v2(5160,2650) 5185,2625 5185,2355 5245,2295 5450,2295 5475,2270 5552.52,2270 5563.86,2281.34 CAM0.3@5578.62,2281.34
  BOT w5: v2(5150,2885) 5140,2895 5115,2895 5080,2860 5080,2715 5145,2650 v2(5160,2650)
CAM0_D1_N: CAM0.5 CM4A.134 | length 1036.2
  TOP w5: CM4A.134@5098.54,2858.11 5124.13,2858.11 5128.44,2853.8 5150.57,2853.8 5156.77,2860 v2(5160,2860) ; v2(5170,2680) 5172.49,2682.49 5182.49,2682.49 5185,2685 5190,2685 5195,2680 5195,2440 5220,2415 5275,2415 5315,2455 5430,2455 5510,2375 5548.94,2375 5563.86,2360.08 CAM0.5@5578.62,2360.08
  BOT w5: v2(5160,2860) 5156.48,2860 5151.48,2855 5130,2855 5100,2825 5100,2745 5155,2690 5160,2690 v2(5170,2680)
CAM0_D1_P: CAM0.6 CM4A.136 | length 1003.1
  TOP w5: CM4A.136@5098.54,2842.36 5149.12,2842.36 5156.48,2835 v2(5160,2835) ; v2(5172.89,2705.91) 5174.09,2705.91 5185,2695 5195,2695 5205,2685 5205,2445 5225,2425 5270,2425 5310,2465 5434.14,2465 5514.14,2385 5549.41,2385 5563.86,2399.45 CAM0.6@5578.62,2399.45
  BOT w5: v2(5160,2835) 5150,2845 5135,2845 5110,2820 5110,2750 5159.66,2700.34 5163.8,2700.34 5169.37,2705.91 v2(5172.89,2705.91)
CAM1_CLK_N: CAM1.8 CM4A.127 | length 1234.8
  TOP w5: CM4A.127@5004.84,2905.35 5004.49,2905 4930,2905 4870,2965 4870,3190.86 5079.14,3400 5205,3400 5220.96,3415.96 5350.96,3415.96 5405,3470 5465,3470 5510,3515 5548.86,3515 5563.86,3500 CAM1.8@5578.62,3500
CAM1_CLK_P: CAM1.9 CM4A.129 | length 1270.3
  TOP w5: CM4A.129@5004.84,2889.61 5004.45,2890 4975,2890 4970,2895 4925,2895 4860,2960 4860,3195 5075,3410 5200,3410 5215.96,3425.96 5345.96,3425.96 5400,3480 5460,3480 5505,3525 5549.49,3525 5563.86,3539.37 CAM1.9@5578.62,3539.37
CAM1_D0_N: CAM1.2 CM4A.115 | length 860
  TOP w8: CM4A.115@5004.84,2999.84 4957.69,2999.84 4953,3004.53 4953,3113 4965,3125 5295,3125 5445,3275 5553.33,3275 5558.02,3270.31 5558.02,3269.62 5563.86,3263.78 CAM1.2@5578.62,3263.78
CAM1_D0_P: CAM1.3 CM4A.117 | length 910.4
  TOP w8: CM4A.117@5004.84,2984.09 4950.91,2984.09 4940,2995 4940,3120 4958,3138 5288,3138 5440,3290 5553.33,3290 5558.02,3294.69 5558.02,3297.31 5563.86,3303.15 CAM1.3@5578.62,3303.15
CAM1_D1_N: CAM1.5 CM4A.121 | length 1055.1
  TOP w5: CM4A.121@5004.84,2952.6 4976.12,2952.6 4973.52,2950 4950,2950 4905,2995 4905,3150 4995.3,3240.3 5325.3,3240.3 5480,3395 5550.75,3395 CAM1.5@5563.86,3381.89
  TOP w8: CAM1.5@5563.86,3381.89 CAM1.5@5578.62,3381.89
CAM1_D1_P: CAM1.6 CM4A.123 | length 1090.8
  TOP w5: CM4A.123@5004.84,2936.85 4979.25,2936.85 4976.1,2940 4945,2940 4895,2990 4895,3155 4990.3,3250.3 5320.3,3250.3 5475,3405 5547.6,3405 5563.86,3421.26 CAM1.6@5578.62,3421.26
CAM_GPIO: CAM0.11 CAM1.11 CM4A.97 | length 4113.2
  TOP w8: v2(3620,2380) 3621.91,2378.09 3621.91,2368.08 3635.75,2354.24 3666.2,2354.24 CM4A.97@3666.26,2354.17 ; v2(3965,2390) 4020,2445 4020,2945 4215,3140 4465,3140 4730,3405 5010,3405 5145,3540 5295,3540 5325,3510 5440,3510 5545,3615 5575.51,3615 CAM1.11@5578.62,3618.11 5593.39,3618.11 5770,3441.5 5770,2690 5676.3,2596.3 CAM0.11@5578.62,2596.3
  BOT w8: v2(3620,2380) 3648,2408 3759.5,2408 3777.5,2390 v2(3965,2390)
CCLK: C2000.C24 FPC.2 | length 2101.1
  TOP w10: FPC.2@2106.38,3719.06 2101.54,3723.9 2081.1,3723.9 2065,3740 2065,3770 2250,3955 v2(2410,3955) ; C2000.C24@3422.84,3610.95 3505.95,3610.95 v2(3515,3620)
  BOT w10: v2(2410,3955) 2410,4025 2485,4100 3175,4100 3535,3740 3535,3640 v2(3515,3620)
CLK: C2000.A57 CM4A.38 | length 1762.8
  TOP w8: C2000.A57@2267.38,2862.92 2269.28,2864.82 2319.82,2864.82 2335,2880 2335,2925 2395,2985 3550,2985 v2(3580,2955) ; CM4A.38@3759.96,2826.61 3806.61,2826.61 v2(3815,2835)
  BOT w8: v2(3580,2955) 3580,2945 3660,2865 3805,2865 3815,2855 v2(3815,2835)
CM4_3V3: CM4A.78 CM4A.84 CM4A.86 D3.2 | length 988.3
  TOP w8: CM4A.84@3734.43,2464.47 3729.45,2464.47 3721.43,2472.49 3721.43,2503.57 3729.45,2511.59 3759.9,2511.59 CM4A.78@3759.96,2511.65
  BOT w20: v2(3745,2455) v2(3775,2455) 3805,2425 4220,2425 4225,2430 4420,2430 4445,2405 4445,2245 D3.2@4435,2235
CSIMO: C2000.C20 FPC.4 | length 2205
  TOP w10: FPC.4@2106.38,3640.32 2101.54,3645.16 2079.84,3645.16 1940,3785 1940,3890 2060,4010 v2(2470,4010) ; C2000.C20@3422.84,3650.32 3423.74,3651.22 3469.06,3651.22 3482.84,3665 v2(3485,3665)
  BOT w10: v2(2470,4010) 2515,4055 3145,4055 3486.53,3713.47 3486.53,3666.53 v2(3485,3665)
CSOMI: C2000.C22 FPC.3 | length 2067.4
  TOP w10: FPC.3@2106.38,3679.69 2101.58,3684.48 2075.52,3684.48 2045,3715 2045,3775 2255,3985 v2(2440,3985) ; C2000.C22@3422.84,3630.64 3490.64,3630.64 v2(3500,3640)
  BOT w10: v2(2440,3985) 2440,4019 2501,4080 3160,4080 3510,3730 3510,3652.16 3500,3642.16 v2(3500,3640)
CSTE: C2000.C26 FPC.1 | length 2113.6
  TOP w10: FPC.1@2106.38,3758.43 2119.37,3758.43 2124.21,3763.27 2124.21,3779.21 2270,3925 v2(2380,3925) ; C2000.C26@3422.84,3591.27 3526.27,3591.27 v2(3535,3600)
  BOT w10: v2(2380,3925) 2380,4035 2470,4125 3190,4125 3560,3755 3560,3625 v2(3535,3600)
DM: LINGXIAO.3 LINGXIAOU.2 | length 1616.5
  TOP w10: LINGXIAOU.2@3867.45,4653.47 3865.56,4651.58 3865.56,4626.97 3860,4621.42 3860,4230 4035,4055 4325,4055 4520,4250 4842.75,4250 LINGXIAO.3@4880.87,4288.13
DP: LINGXIAO.4 LINGXIAOU.3 | length 1645.7
  TOP w10: LINGXIAOU.3@3841.86,4653.47 3843.74,4651.58 3843.74,4616.26 3845,4615 3845,4220 4030,4035 4330,4035 4525.36,4230.36 4838.64,4230.36 LINGXIAO.4@4880.87,4188.13
EXTRST: CM4A.100 USBHUNB4.26 | length 811.6
  TOP w8: CM4A.100@3759.96,2338.43 3823.43,2338.43 3840,2355 3840,2535 v2(3825,2550)
  BOT w8: v2(3825,2550) 3825,2570 3845,2590 3940,2590 4070,2720 4210,2720 4220.94,2709.06 USBHUNB4.26@4261.81,2709.06